# Altium PCB Cabinet_Device.PcbDoc (part 4 of 6) (continued)
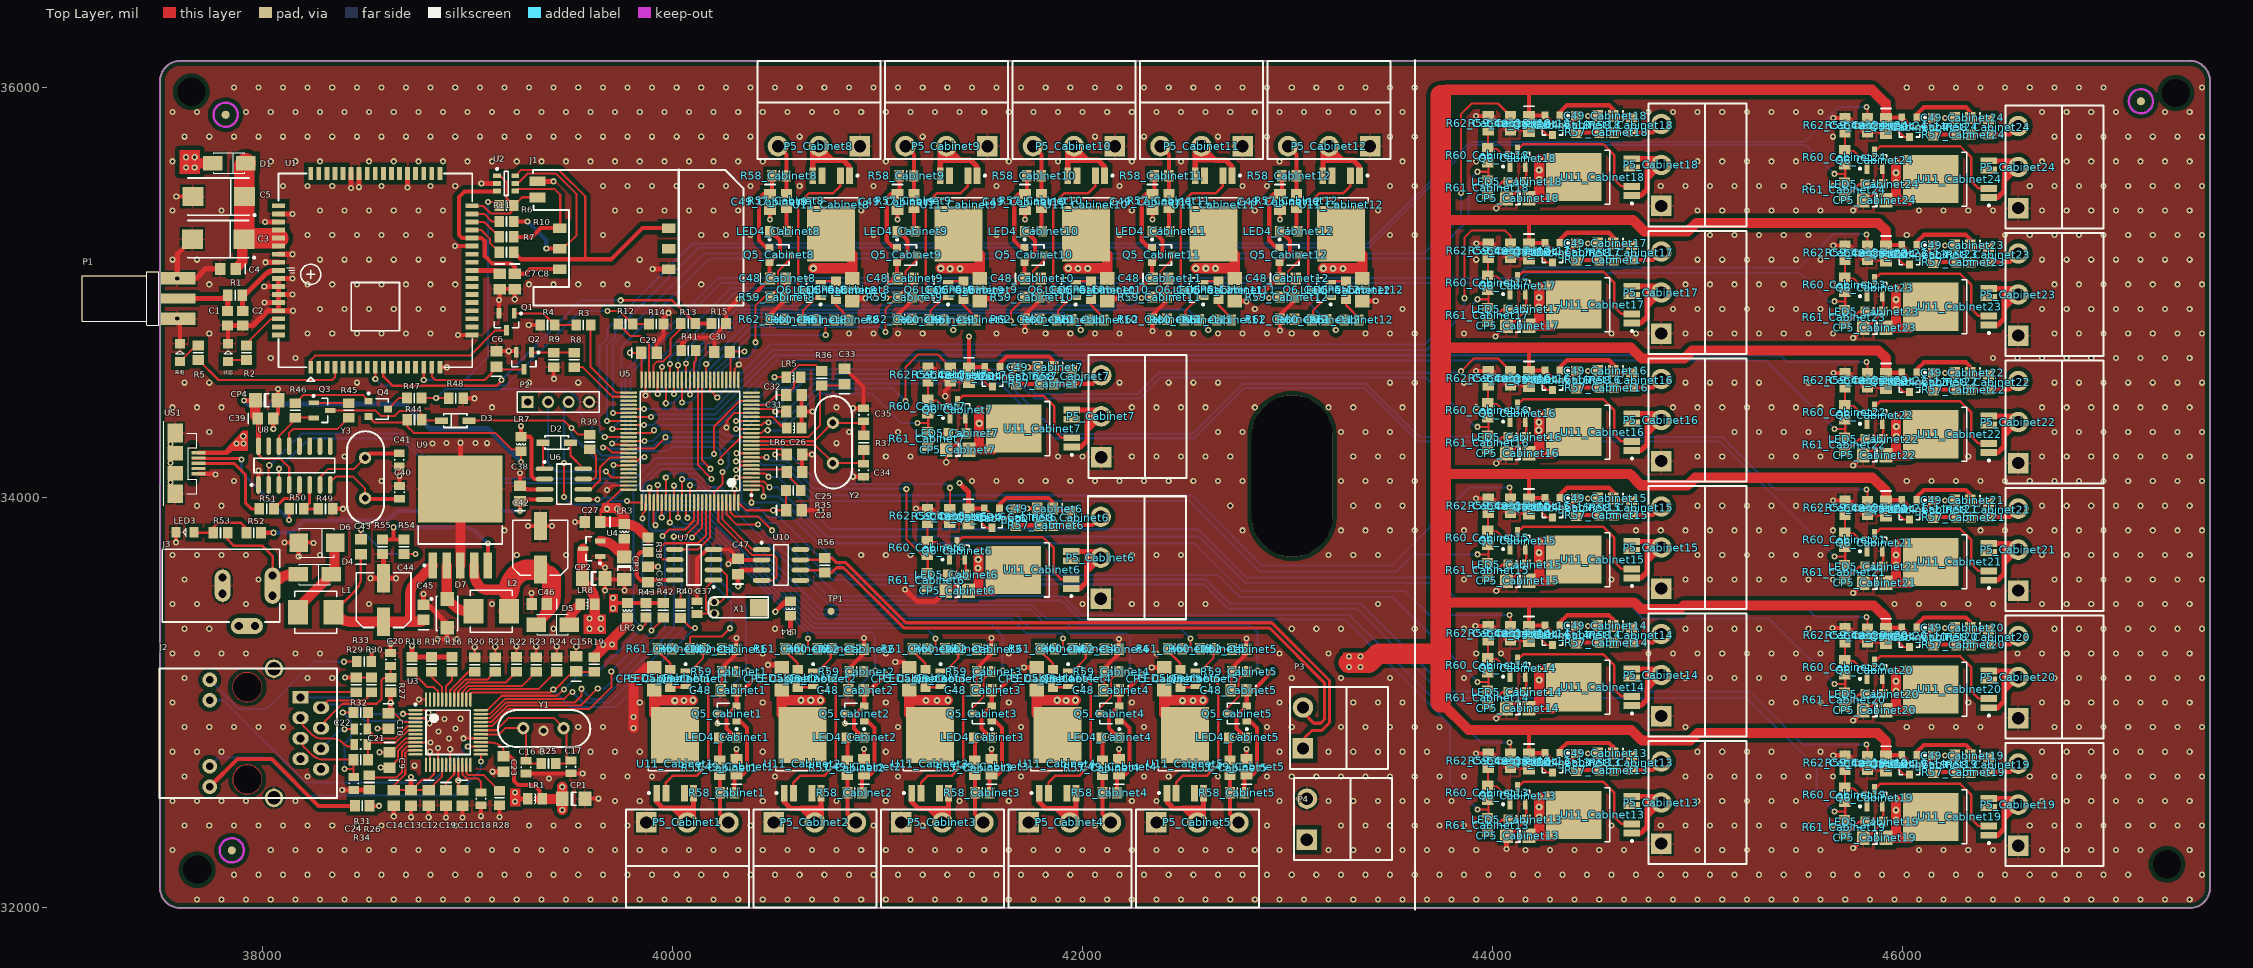
[diagram p0: Top Layer view]
## Nets (pads, with @x,y where several pads share a name; then routed paths per layer and width w, separated by ;. In a path a pad name is that pad's centre, name@x,y a point inside that pad or via, vN(x,y) a via of type N, cw(c..) or ccw(c..) an arc to the next point about the centre after c; other vN are vias at no path point) (continued)
  Top Layer w20: P5_Cabinet10.3@41758,35714 41798.87,35673.13 R58_Cabinet10.2@41798.87,35569 41799.43,35568.43 R57_Cabinet10.1@41799.43,35482.43
NetP5_Cabinet11_2: P5_Cabinet11.2 U11_Cabinet11.1 U11_Cabinet11.5 | length 417.7
  Top Layer w12: P5_Cabinet11.2@42537,35715 P5_Cabinet11.2@42549.67,35702.33 ; 42707,35636 42716.87,35636 42729.2,35623.67 42729.2,35613.8
  Top Layer w25: U11_Cabinet11.5@42549.67,35570.46 42549.67,35683.67 P5_Cabinet11.2@42580,35714 42649,35645 42698,35645 42707,35636 42729.2,35613.8 U11_Cabinet11.1@42729.2,35598
NetP5_Cabinet11_3: P5_Cabinet11.3 R57_Cabinet11.1 R58_Cabinet11.2 | length 248.7
  Top Layer w20: P5_Cabinet11.3@42380,35714 42420.87,35673.13 R58_Cabinet11.2@42420.87,35569 42421.43,35568.43 R57_Cabinet11.1@42421.43,35482.43
NetP5_Cabinet12_2: P5_Cabinet12.2 U11_Cabinet12.1 U11_Cabinet12.5 | length 417.7
  Top Layer w12: P5_Cabinet12.2@43159,35715 P5_Cabinet12.2@43171.67,35702.33 ; 43329,35636 43338.87,35636 43351.2,35623.67 43351.2,35613.8
  Top Layer w25: U11_Cabinet12.5@43171.67,35570.46 43171.67,35683.67 P5_Cabinet12.2@43202,35714 43271,35645 43320,35645 43329,35636 43351.2,35613.8 U11_Cabinet12.1@43351.2,35598
NetP5_Cabinet12_3: P5_Cabinet12.3 R57_Cabinet12.1 R58_Cabinet12.2 | length 248.7
  Top Layer w20: P5_Cabinet12.3@43002,35714 43042.87,35673.13 R58_Cabinet12.2@43042.87,35569 43043.43,35568.43 R57_Cabinet12.1@43043.43,35482.43
NetP5_Cabinet13_2: P5_Cabinet13.2 U11_Cabinet13.1 U11_Cabinet13.5 | length 417.7
  Top Layer w12: 44722.8,32362.8 44732.67,32362.8 44745,32375.13 44745,32385 ; P5_Cabinet13.2@44811.33,32542.33 P5_Cabinet13.2@44824,32555
  Top Layer w25: U11_Cabinet13.5@44679.46,32542.33 44792.67,32542.33 P5_Cabinet13.2@44823,32512 44754,32443 44754,32394 44745,32385 44722.8,32362.8 U11_Cabinet13.1@44707,32362.8
NetP5_Cabinet13_3: P5_Cabinet13.3 R57_Cabinet13.1 R58_Cabinet13.2 | length 248.7
  Top Layer w20: R57_Cabinet13.1@44591.43,32670.57 44677.43,32670.57 R58_Cabinet13.2@44678,32671.13 44782.13,32671.13 P5_Cabinet13.3@44823,32712
NetP5_Cabinet14_2: P5_Cabinet14.2 U11_Cabinet14.1 U11_Cabinet14.5 | length 417.7
  Top Layer w12: 44722.8,32984.8 44732.67,32984.8 44745,32997.13 44745,33007 ; P5_Cabinet14.2@44811.33,33164.33 P5_Cabinet14.2@44824,33177
  Top Layer w25: U11_Cabinet14.5@44679.46,33164.33 44792.67,33164.33 P5_Cabinet14.2@44823,33134 44754,33065 44754,33016 44745,33007 44722.8,32984.8 U11_Cabinet14.1@44707,32984.8
NetP5_Cabinet14_3: P5_Cabinet14.3 R57_Cabinet14.1 R58_Cabinet14.2 | length 248.7
  Top Layer w20: R57_Cabinet14.1@44591.43,33292.57 44677.43,33292.57 R58_Cabinet14.2@44678,33293.13 44782.13,33293.13 P5_Cabinet14.3@44823,33334
NetP5_Cabinet15_2: P5_Cabinet15.2 U11_Cabinet15.1 U11_Cabinet15.5 | length 417.7
  Top Layer w12: 44722.8,33606.8 44732.67,33606.8 44745,33619.13 44745,33629 ; P5_Cabinet15.2@44811.33,33786.33 P5_Cabinet15.2@44824,33799
  Top Layer w25: U11_Cabinet15.5@44679.46,33786.33 44792.67,33786.33 P5_Cabinet15.2@44823,33756 44754,33687 44754,33638 44745,33629 44722.8,33606.8 U11_Cabinet15.1@44707,33606.8
NetP5_Cabinet15_3: P5_Cabinet15.3 R57_Cabinet15.1 R58_Cabinet15.2 | length 248.7
  Top Layer w20: R57_Cabinet15.1@44591.43,33914.57 44677.43,33914.57 R58_Cabinet15.2@44678,33915.13 44782.13,33915.13 P5_Cabinet15.3@44823,33956
NetP5_Cabinet16_2: P5_Cabinet16.2 U11_Cabinet16.1 U11_Cabinet16.5 | length 417.7
  Top Layer w12: 44722.8,34228.8 44732.67,34228.8 44745,34241.13 44745,34251 ; P5_Cabinet16.2@44811.33,34408.33 P5_Cabinet16.2@44824,34421
  Top Layer w25: U11_Cabinet16.5@44679.46,34408.33 44792.67,34408.33 P5_Cabinet16.2@44823,34378 44754,34309 44754,34260 44745,34251 44722.8,34228.8 U11_Cabinet16.1@44707,34228.8
NetP5_Cabinet16_3: P5_Cabinet16.3 R57_Cabinet16.1 R58_Cabinet16.2 | length 248.7
  Top Layer w20: R57_Cabinet16.1@44591.43,34536.57 44677.43,34536.57 R58_Cabinet16.2@44678,34537.13 44782.13,34537.13 P5_Cabinet16.3@44823,34578
NetP5_Cabinet17_2: P5_Cabinet17.2 U11_Cabinet17.1 U11_Cabinet17.5 | length 417.7
  Top Layer w12: 44722.8,34850.8 44732.67,34850.8 44745,34863.13 44745,34873 ; P5_Cabinet17.2@44811.33,35030.33 P5_Cabinet17.2@44824,35043
  Top Layer w25: U11_Cabinet17.5@44679.46,35030.33 44792.67,35030.33 P5_Cabinet17.2@44823,35000 44754,34931 44754,34882 44745,34873 44722.8,34850.8 U11_Cabinet17.1@44707,34850.8
NetP5_Cabinet17_3: P5_Cabinet17.3 R57_Cabinet17.1 R58_Cabinet17.2 | length 248.7
  Top Layer w20: R57_Cabinet17.1@44591.43,35158.57 44677.43,35158.57 R58_Cabinet17.2@44678,35159.13 44782.13,35159.13 P5_Cabinet17.3@44823,35200
NetP5_Cabinet18_2: P5_Cabinet18.2 U11_Cabinet18.1 U11_Cabinet18.5 | length 417.7
  Top Layer w12: 44722.8,35472.8 44732.67,35472.8 44745,35485.13 44745,35495 ; P5_Cabinet18.2@44811.33,35652.33 P5_Cabinet18.2@44824,35665
  Top Layer w25: U11_Cabinet18.5@44679.46,35652.33 44792.67,35652.33 P5_Cabinet18.2@44823,35622 44754,35553 44754,35504 44745,35495 44722.8,35472.8 U11_Cabinet18.1@44707,35472.8
NetP5_Cabinet18_3: P5_Cabinet18.3 R57_Cabinet18.1 R58_Cabinet18.2 | length 248.7
  Top Layer w20: R57_Cabinet18.1@44591.43,35780.57 44677.43,35780.57 R58_Cabinet18.2@44678,35781.13 44782.13,35781.13 P5_Cabinet18.3@44823,35822
NetP5_Cabinet19_2: P5_Cabinet19.2 U11_Cabinet19.1 U11_Cabinet19.5 | length 417.7
  Top Layer w12: 46463.8,32352.8 46473.67,32352.8 46486,32365.13 46486,32375 ; P5_Cabinet19.2@46552.33,32532.33 P5_Cabinet19.2@46565,32545
  Top Layer w25: U11_Cabinet19.5@46420.46,32532.33 46533.67,32532.33 P5_Cabinet19.2@46564,32502 46495,32433 46495,32384 46486,32375 46463.8,32352.8 U11_Cabinet19.1@46448,32352.8
NetP5_Cabinet19_3: P5_Cabinet19.3 R57_Cabinet19.1 R58_Cabinet19.2 | length 248.7
  Top Layer w20: R57_Cabinet19.1@46332.43,32660.57 46418.43,32660.57 R58_Cabinet19.2@46419,32661.13 46523.13,32661.13 P5_Cabinet19.3@46564,32702
NetP5_Cabinet20_2: P5_Cabinet20.2 U11_Cabinet20.1 U11_Cabinet20.5 | length 417.7
  Top Layer w12: 46463.8,32974.8 46473.67,32974.8 46486,32987.13 46486,32997 ; P5_Cabinet20.2@46552.33,33154.33 P5_Cabinet20.2@46565,33167
  Top Layer w25: U11_Cabinet20.5@46420.46,33154.33 46533.67,33154.33 P5_Cabinet20.2@46564,33124 46495,33055 46495,33006 46486,32997 46463.8,32974.8 U11_Cabinet20.1@46448,32974.8
NetP5_Cabinet20_3: P5_Cabinet20.3 R57_Cabinet20.1 R58_Cabinet20.2 | length 248.7
  Top Layer w20: R57_Cabinet20.1@46332.43,33282.57 46418.43,33282.57 R58_Cabinet20.2@46419,33283.13 46523.13,33283.13 P5_Cabinet20.3@46564,33324
NetP5_Cabinet21_2: P5_Cabinet21.2 U11_Cabinet21.1 U11_Cabinet21.5 | length 417.7
  Top Layer w12: 46463.8,33596.8 46473.67,33596.8 46486,33609.13 46486,33619 ; P5_Cabinet21.2@46552.33,33776.33 P5_Cabinet21.2@46565,33789
  Top Layer w25: U11_Cabinet21.5@46420.46,33776.33 46533.67,33776.33 P5_Cabinet21.2@46564,33746 46495,33677 46495,33628 46486,33619 46463.8,33596.8 U11_Cabinet21.1@46448,33596.8
NetP5_Cabinet21_3: P5_Cabinet21.3 R57_Cabinet21.1 R58_Cabinet21.2 | length 248.7
  Top Layer w20: R57_Cabinet21.1@46332.43,33904.57 46418.43,33904.57 R58_Cabinet21.2@46419,33905.13 46523.13,33905.13 P5_Cabinet21.3@46564,33946
NetP5_Cabinet22_2: P5_Cabinet22.2 U11_Cabinet22.1 U11_Cabinet22.5 | length 417.7
  Top Layer w12: 46463.8,34218.8 46473.67,34218.8 46486,34231.13 46486,34241 ; P5_Cabinet22.2@46552.33,34398.33 P5_Cabinet22.2@46565,34411
  Top Layer w25: U11_Cabinet22.5@46420.46,34398.33 46533.67,34398.33 P5_Cabinet22.2@46564,34368 46495,34299 46495,34250 46486,34241 46463.8,34218.8 U11_Cabinet22.1@46448,34218.8
NetP5_Cabinet22_3: P5_Cabinet22.3 R57_Cabinet22.1 R58_Cabinet22.2 | length 248.7
  Top Layer w20: R57_Cabinet22.1@46332.43,34526.57 46418.43,34526.57 R58_Cabinet22.2@46419,34527.13 46523.13,34527.13 P5_Cabinet22.3@46564,34568
NetP5_Cabinet23_2: P5_Cabinet23.2 U11_Cabinet23.1 U11_Cabinet23.5 | length 417.7
  Top Layer w12: 46463.8,34840.8 46473.67,34840.8 46486,34853.13 46486,34863 ; P5_Cabinet23.2@46552.33,35020.33 P5_Cabinet23.2@46565,35033
  Top Layer w25: U11_Cabinet23.5@46420.46,35020.33 46533.67,35020.33 P5_Cabinet23.2@46564,34990 46495,34921 46495,34872 46486,34863 46463.8,34840.8 U11_Cabinet23.1@46448,34840.8
NetP5_Cabinet23_3: P5_Cabinet23.3 R57_Cabinet23.1 R58_Cabinet23.2 | length 248.7
  Top Layer w20: R57_Cabinet23.1@46332.43,35148.57 46418.43,35148.57 R58_Cabinet23.2@46419,35149.13 46523.13,35149.13 P5_Cabinet23.3@46564,35190
NetP5_Cabinet24_2: P5_Cabinet24.2 U11_Cabinet24.1 U11_Cabinet24.5 | length 417.7
  Top Layer w12: 46463.8,35462.8 46473.67,35462.8 46486,35475.13 46486,35485 ; P5_Cabinet24.2@46552.33,35642.33 P5_Cabinet24.2@46565,35655
  Top Layer w25: U11_Cabinet24.5@46420.46,35642.33 46533.67,35642.33 P5_Cabinet24.2@46564,35612 46495,35543 46495,35494 46486,35485 46463.8,35462.8 U11_Cabinet24.1@46448,35462.8
NetP5_Cabinet24_3: P5_Cabinet24.3 R57_Cabinet24.1 R58_Cabinet24.2 | length 248.7
  Top Layer w20: R57_Cabinet24.1@46332.43,35770.57 46418.43,35770.57 R58_Cabinet24.2@46419,35771.13 46523.13,35771.13 P5_Cabinet24.3@46564,35812
NetQ1_1: Q1.1 R3.1 R4.1 | length 325.5
  Top Layer w10: Q1.1@39227.4,34897.68 39369.09,34897.68 R4.1@39425.43,34841.34 R3.1@39529.57,34841.34
NetQ1_3: Q1.3 U1.1 | length 1049.6
  Top Layer w10: U1.1@38235.04,34635.47 38235.04,34670.04 38257,34692 39012,34692 39135,34815 Q1.3@39190,34815
NetQ2_1: Q2.1 R8.1 R9.1 | length 208
  Top Layer w10: Q2.1@39312.4,34707.68 39519.09,34707.68 R8.1@39520,34706.77
NetQ3_1: Q3.1 R45.2 | length 172.2
  Top Layer w10: Q3.1@38248.66,34462.4 38250.63,34460.43 R45.2@38420,34460.43
NetQ4_1: Q4.1 R46.2 | length 384.7
  Top Layer w10: R46.2@38160,34460.43 38198.57,34499 38491.16,34499 Q4.1@38517.76,34472.4
NetQ4_3: Q4.3 R47.2 | length 114.3
  Top Layer w10: Q4.3@38612.24,34432 38665.24,34485 R47.2@38704.57,34485
NetQ6_Cabinet1_1: Q6_Cabinet1.1 R60_Cabinet1.1 R62_Cabinet1.2 | length 245.9
  Top Layer w10: Q6_Cabinet1.1@40063.79,33153.4 40086.4,33153.4 40149.43,33216.43 40149.43,33259 40150.43,33260 R62_Cabinet1.2@40240.57,33260
NetQ6_Cabinet1_3: Q6_Cabinet1.3 U11_Cabinet1.2 | length 722.1
  Top Layer w12: U11_Cabinet1.2@39967.69,32558.54 39967.69,32609.55 40002.13,32644 40119.13,32644 40173.13,32698 40173.13,33089.34 Q6_Cabinet1.3@40146.47,33116
NetQ6_Cabinet2_1: Q6_Cabinet2.1 R60_Cabinet2.1 R62_Cabinet2.2 | length 245.9
  Top Layer w10: Q6_Cabinet2.1@40685.79,33153.4 40708.4,33153.4 40771.43,33216.43 40771.43,33259 40772.43,33260 R62_Cabinet2.2@40862.57,33260
NetQ6_Cabinet2_3: Q6_Cabinet2.3 U11_Cabinet2.2 | length 722.1
  Top Layer w12: U11_Cabinet2.2@40589.69,32558.54 40589.69,32609.55 40624.13,32644 40741.13,32644 40795.13,32698 40795.13,33089.34 Q6_Cabinet2.3@40768.47,33116
NetQ6_Cabinet3_1: Q6_Cabinet3.1 R60_Cabinet3.1 R62_Cabinet3.2 | length 245.9
  Top Layer w10: Q6_Cabinet3.1@41307.79,33153.4 41330.4,33153.4 41393.43,33216.43 41393.43,33259 41394.43,33260 R62_Cabinet3.2@41484.57,33260
NetQ6_Cabinet3_3: Q6_Cabinet3.3 U11_Cabinet3.2 | length 722.1
  Top Layer w12: U11_Cabinet3.2@41211.69,32558.54 41211.69,32609.55 41246.13,32644 41363.13,32644 41417.13,32698 41417.13,33089.34 Q6_Cabinet3.3@41390.47,33116
NetQ6_Cabinet4_1: Q6_Cabinet4.1 R60_Cabinet4.1 R62_Cabinet4.2 | length 245.9
  Top Layer w10: Q6_Cabinet4.1@41929.79,33153.4 41952.4,33153.4 42015.43,33216.43 42015.43,33259 42016.43,33260 R62_Cabinet4.2@42106.57,33260
NetQ6_Cabinet4_3: Q6_Cabinet4.3 U11_Cabinet4.2 | length 722.1
  Top Layer w12: U11_Cabinet4.2@41833.69,32558.54 41833.69,32609.55 41868.13,32644 41985.13,32644 42039.13,32698 42039.13,33089.34 Q6_Cabinet4.3@42012.47,33116
NetQ6_Cabinet5_1: Q6_Cabinet5.1 R60_Cabinet5.1 R62_Cabinet5.2 | length 245.9
  Top Layer w10: Q6_Cabinet5.1@42551.79,33153.4 42574.4,33153.4 42637.43,33216.43 42637.43,33259 42638.43,33260 R62_Cabinet5.2@42728.57,33260
NetQ6_Cabinet5_3: Q6_Cabinet5.3 U11_Cabinet5.2 | length 722.1
  Top Layer w12: U11_Cabinet5.2@42455.69,32558.54 42455.69,32609.55 42490.13,32644 42607.13,32644 42661.13,32698 42661.13,33089.34 Q6_Cabinet5.3@42634.47,33116
NetQ6_Cabinet6_1: Q6_Cabinet6.1 R60_Cabinet6.1 R62_Cabinet6.2 | length 245.9
  Top Layer w10: R62_Cabinet6.2@41243.54,33874.76 41243.54,33784.63 41244.54,33783.63 41287.1,33783.63 41350.14,33720.6 Q6_Cabinet6.1@41350.14,33697.99
NetQ6_Cabinet6_3: Q6_Cabinet6.3 U11_Cabinet6.2 | length 722.1
  Top Layer w12: Q6_Cabinet6.3@41387.54,33780.67 41414.2,33807.33 41805.54,33807.33 41859.54,33753.33 41859.54,33636.33 41893.98,33601.88 U11_Cabinet6.2@41945,33601.88
NetQ6_Cabinet7_1: Q6_Cabinet7.1 R60_Cabinet7.1 R62_Cabinet7.2 | length 245.9
  Top Layer w10: R62_Cabinet7.2@41246,34564.57 41246,34474.43 41247,34473.43 41289.57,34473.43 41352.6,34410.4 Q6_Cabinet7.1@41352.6,34387.79
NetQ6_Cabinet7_3: Q6_Cabinet7.3 U11_Cabinet7.2 | length 722.1
  Top Layer w12: Q6_Cabinet7.3@41390,34470.47 41416.66,34497.13 41808,34497.13 41862,34443.13 41862,34326.13 41896.45,34291.69 U11_Cabinet7.2@41947.46,34291.69
NetQ6_Cabinet8_1: Q6_Cabinet8.1 R60_Cabinet8.1 R62_Cabinet8.2 | length 245.9
  Top Layer w10: R62_Cabinet8.2@40545.43,34869 40635.57,34869 40636.57,34870 40636.57,34912.57 40699.6,34975.6 Q6_Cabinet8.1@40722.21,34975.6
NetQ6_Cabinet8_3: Q6_Cabinet8.3 U11_Cabinet8.2 | length 722.1
  Top Layer w12: Q6_Cabinet8.3@40639.53,35013 40612.87,35039.66 40612.87,35431 40666.87,35485 40783.87,35485 40818.31,35519.45 U11_Cabinet8.2@40818.31,35570.46
NetQ6_Cabinet9_1: Q6_Cabinet9.1 R60_Cabinet9.1 R62_Cabinet9.2 | length 245.9
  Top Layer w10: R62_Cabinet9.2@41167.43,34869 41257.57,34869 41258.57,34870 41258.57,34912.57 41321.6,34975.6 Q6_Cabinet9.1@41344.21,34975.6
NetQ6_Cabinet9_3: Q6_Cabinet9.3 U11_Cabinet9.2 | length 722.1
  Top Layer w12: Q6_Cabinet9.3@41261.53,35013 41234.87,35039.66 41234.87,35431 41288.87,35485 41405.87,35485 41440.31,35519.45 U11_Cabinet9.2@41440.31,35570.46
NetQ6_Cabinet10_1: Q6_Cabinet10.1 R60_Cabinet10.1 R62_Cabinet10.2 | length 245.9
  Top Layer w10: R62_Cabinet10.2@41789.43,34869 41879.57,34869 41880.57,34870 41880.57,34912.57 41943.6,34975.6 Q6_Cabinet10.1@41966.21,34975.6
NetQ6_Cabinet10_3: Q6_Cabinet10.3 U11_Cabinet10.2 | length 722.1
  Top Layer w12: Q6_Cabinet10.3@41883.53,35013 41856.87,35039.66 41856.87,35431 41910.87,35485 42027.87,35485 42062.31,35519.45 U11_Cabinet10.2@42062.31,35570.46
NetQ6_Cabinet11_1: Q6_Cabinet11.1 R60_Cabinet11.1 R62_Cabinet11.2 | length 245.9
  Top Layer w10: R62_Cabinet11.2@42411.43,34869 42501.57,34869 42502.57,34870 42502.57,34912.57 42565.6,34975.6 Q6_Cabinet11.1@42588.21,34975.6
NetQ6_Cabinet11_3: Q6_Cabinet11.3 U11_Cabinet11.2 | length 722.1
  Top Layer w12: Q6_Cabinet11.3@42505.53,35013 42478.87,35039.66 42478.87,35431 42532.87,35485 42649.87,35485 42684.31,35519.45 U11_Cabinet11.2@42684.31,35570.46
NetQ6_Cabinet12_1: Q6_Cabinet12.1 R60_Cabinet12.1 R62_Cabinet12.2 | length 245.9
  Top Layer w10: R62_Cabinet12.2@43033.43,34869 43123.57,34869 43124.57,34870 43124.57,34912.57 43187.6,34975.6 Q6_Cabinet12.1@43210.21,34975.6
NetQ6_Cabinet12_3: Q6_Cabinet12.3 U11_Cabinet12.2 | length 722.1
  Top Layer w12: Q6_Cabinet12.3@43127.53,35013 43100.87,35039.66 43100.87,35431 43154.87,35485 43271.87,35485 43306.31,35519.45 U11_Cabinet12.2@43306.31,35570.46
NetQ6_Cabinet13_1: Q6_Cabinet13.1 R60_Cabinet13.1 R62_Cabinet13.2 | length 245.9
  Top Layer w10: R62_Cabinet13.2@43978,32680.57 43978,32590.43 43979,32589.43 44021.57,32589.43 44084.6,32526.4 Q6_Cabinet13.1@44084.6,32503.79
NetQ6_Cabinet13_3: Q6_Cabinet13.3 U11_Cabinet13.2 | length 722.1
  Top Layer w12: Q6_Cabinet13.3@44122,32586.47 44148.66,32613.13 44540,32613.13 44594,32559.13 44594,32442.13 44628.45,32407.69 U11_Cabinet13.2@44679.46,32407.69
NetQ6_Cabinet14_1: Q6_Cabinet14.1 R60_Cabinet14.1 R62_Cabinet14.2 | length 245.9
  Top Layer w10: R62_Cabinet14.2@43978,33302.57 43978,33212.43 43979,33211.43 44021.57,33211.43 44084.6,33148.4 Q6_Cabinet14.1@44084.6,33125.79
NetQ6_Cabinet14_3: Q6_Cabinet14.3 U11_Cabinet14.2 | length 722.1
  Top Layer w12: Q6_Cabinet14.3@44122,33208.47 44148.66,33235.13 44540,33235.13 44594,33181.13 44594,33064.13 44628.45,33029.69 U11_Cabinet14.2@44679.46,33029.69
NetQ6_Cabinet15_1: Q6_Cabinet15.1 R60_Cabinet15.1 R62_Cabinet15.2 | length 245.9
  Top Layer w10: R62_Cabinet15.2@43978,33924.57 43978,33834.43 43979,33833.43 44021.57,33833.43 44084.6,33770.4 Q6_Cabinet15.1@44084.6,33747.79
NetQ6_Cabinet15_3: Q6_Cabinet15.3 U11_Cabinet15.2 | length 722.1
  Top Layer w12: Q6_Cabinet15.3@44122,33830.47 44148.66,33857.13 44540,33857.13 44594,33803.13 44594,33686.13 44628.45,33651.69 U11_Cabinet15.2@44679.46,33651.69
NetQ6_Cabinet16_1: Q6_Cabinet16.1 R60_Cabinet16.1 R62_Cabinet16.2 | length 245.9
  Top Layer w10: R62_Cabinet16.2@43978,34546.57 43978,34456.43 43979,34455.43 44021.57,34455.43 44084.6,34392.4 Q6_Cabinet16.1@44084.6,34369.79
NetQ6_Cabinet16_3: Q6_Cabinet16.3 U11_Cabinet16.2 | length 722.1
  Top Layer w12: Q6_Cabinet16.3@44122,34452.47 44148.66,34479.13 44540,34479.13 44594,34425.13 44594,34308.13 44628.45,34273.69 U11_Cabinet16.2@44679.46,34273.69
NetQ6_Cabinet17_1: Q6_Cabinet17.1 R60_Cabinet17.1 R62_Cabinet17.2 | length 245.9
  Top Layer w10: R62_Cabinet17.2@43978,35168.57 43978,35078.43 43979,35077.43 44021.57,35077.43 44084.6,35014.4 Q6_Cabinet17.1@44084.6,34991.79
NetQ6_Cabinet17_3: Q6_Cabinet17.3 U11_Cabinet17.2 | length 722.1
  Top Layer w12: Q6_Cabinet17.3@44122,35074.47 44148.66,35101.13 44540,35101.13 44594,35047.13 44594,34930.13 44628.45,34895.69 U11_Cabinet17.2@44679.46,34895.69
NetQ6_Cabinet18_1: Q6_Cabinet18.1 R60_Cabinet18.1 R62_Cabinet18.2 | length 245.9
  Top Layer w10: R62_Cabinet18.2@43978,35790.57 43978,35700.43 43979,35699.43 44021.57,35699.43 44084.6,35636.4 Q6_Cabinet18.1@44084.6,35613.79
NetQ6_Cabinet18_3: Q6_Cabinet18.3 U11_Cabinet18.2 | length 722.1
  Top Layer w12: Q6_Cabinet18.3@44122,35696.47 44148.66,35723.13 44540,35723.13 44594,35669.13 44594,35552.13 44628.45,35517.69 U11_Cabinet18.2@44679.46,35517.69
NetQ6_Cabinet19_1: Q6_Cabinet19.1 R60_Cabinet19.1 R62_Cabinet19.2 | length 245.9
  Top Layer w10: R62_Cabinet19.2@45719,32670.57 45719,32580.43 45720,32579.43 45762.57,32579.43 45825.6,32516.4 Q6_Cabinet19.1@45825.6,32493.79
NetQ6_Cabinet19_3: Q6_Cabinet19.3 U11_Cabinet19.2 | length 722.1
  Top Layer w12: Q6_Cabinet19.3@45863,32576.47 45889.66,32603.13 46281,32603.13 46335,32549.13 46335,32432.13 46369.45,32397.69 U11_Cabinet19.2@46420.46,32397.69
NetQ6_Cabinet20_1: Q6_Cabinet20.1 R60_Cabinet20.1 R62_Cabinet20.2 | length 245.9
  Top Layer w10: R62_Cabinet20.2@45719,33292.57 45719,33202.43 45720,33201.43 45762.57,33201.43 45825.6,33138.4 Q6_Cabinet20.1@45825.6,33115.79
NetQ6_Cabinet20_3: Q6_Cabinet20.3 U11_Cabinet20.2 | length 722.1
  Top Layer w12: Q6_Cabinet20.3@45863,33198.47 45889.66,33225.13 46281,33225.13 46335,33171.13 46335,33054.13 46369.45,33019.69 U11_Cabinet20.2@46420.46,33019.69
NetQ6_Cabinet21_1: Q6_Cabinet21.1 R60_Cabinet21.1 R62_Cabinet21.2 | length 245.9
  Top Layer w10: R62_Cabinet21.2@45719,33914.57 45719,33824.43 45720,33823.43 45762.57,33823.43 45825.6,33760.4 Q6_Cabinet21.1@45825.6,33737.79
NetQ6_Cabinet21_3: Q6_Cabinet21.3 U11_Cabinet21.2 | length 722.1
  Top Layer w12: Q6_Cabinet21.3@45863,33820.47 45889.66,33847.13 46281,33847.13 46335,33793.13 46335,33676.13 46369.45,33641.69 U11_Cabinet21.2@46420.46,33641.69
NetQ6_Cabinet22_1: Q6_Cabinet22.1 R60_Cabinet22.1 R62_Cabinet22.2 | length 245.9
  Top Layer w10: R62_Cabinet22.2@45719,34536.57 45719,34446.43 45720,34445.43 45762.57,34445.43 45825.6,34382.4 Q6_Cabinet22.1@45825.6,34359.79
NetQ6_Cabinet22_3: Q6_Cabinet22.3 U11_Cabinet22.2 | length 722.1
  Top Layer w12: Q6_Cabinet22.3@45863,34442.47 45889.66,34469.13 46281,34469.13 46335,34415.13 46335,34298.13 46369.45,34263.69 U11_Cabinet22.2@46420.46,34263.69
NetQ6_Cabinet23_1: Q6_Cabinet23.1 R60_Cabinet23.1 R62_Cabinet23.2 | length 245.9
  Top Layer w10: R62_Cabinet23.2@45719,35158.57 45719,35068.43 45720,35067.43 45762.57,35067.43 45825.6,35004.4 Q6_Cabinet23.1@45825.6,34981.79
NetQ6_Cabinet23_3: Q6_Cabinet23.3 U11_Cabinet23.2 | length 722.1
  Top Layer w12: Q6_Cabinet23.3@45863,35064.47 45889.66,35091.13 46281,35091.13 46335,35037.13 46335,34920.13 46369.45,34885.69 U11_Cabinet23.2@46420.46,34885.69
NetQ6_Cabinet24_1: Q6_Cabinet24.1 R60_Cabinet24.1 R62_Cabinet24.2 | length 245.9
  Top Layer w10: R62_Cabinet24.2@45719,35780.57 45719,35690.43 45720,35689.43 45762.57,35689.43 45825.6,35626.4 Q6_Cabinet24.1@45825.6,35603.79
NetQ6_Cabinet24_3: Q6_Cabinet24.3 U11_Cabinet24.2 | length 722.1
  Top Layer w12: Q6_Cabinet24.3@45863,35686.47 45889.66,35713.13 46281,35713.13 46335,35659.13 46335,35542.13 46369.45,35507.69 U11_Cabinet24.2@46420.46,35507.69
NetR2_1: R2.1 U1.66 | length 206.4
  Top Layer w10: R2.1@37922,34741.94 R2.1@37922,34750.59 ; R2.1@37927.5,34756.5 38042.69,34871.69 U1.66@38077.56,34871.69
NetR5_1: R5.1 U1.4 | length 761.5
  Top Layer w10: R5.1@37687,34671.07 37785.07,34573 38340,34573 38353.15,34586.15 U1.4@38353.15,34635.47
NetR20_2: R20.2 U3.42 | length 202.5
  Top Layer w10: U3.42@38915.28,33014.45 38915.28,33060.28 39004.57,33149.57 R20.2@39035,33149.57
NetR21_2: R21.2 U3.41 | length 280.9
  Top Layer w10: U3.41@38934.96,33014.45 38934.96,33057.03 38990.93,33113 39098.43,33113 R21.2@39135,33149.57
NetR22_2: R22.2 U3.40 | length 363.9
  Top Layer w10: U3.40@38954.65,33014.45 38954.65,33054.08 38997.56,33097 39185.07,33097 R22.2@39238.87,33150.8
NetR23_2: R23.2 U3.39 | length 438.1
  Top Layer w10: U3.39@38974.33,33014.45 38974.33,33051.14 39004.19,33081 39266.43,33081 R23.2@39335,33149.57
NetR24_2: R24.2 U3.38 | length 518.8
  Top Layer w10: U3.38@38994.02,33014.45 38994.02,33048.2 39010.82,33065 39345.43,33065 R24.2@39435,33154.57
NetR26_2: R26.2 U3.10 | length 348.6
  Top Layer w10: R26.2@38521.35,32641.67 38528.02,32635 38655,32635 38680,32660 38680,32760 38706.1,32786.1 U3.10@38745.98,32786.1
NetR28_1: R28.1 U3.23 | length 236.4
  Top Layer w10: U3.23@38994.02,32695.55 38994.02,32655.98 39004,32646 39079.87,32646 R28.1@39155.43,32570.43
NetR39_1: R39.1 U6.7 | length 212.7
  Top Layer w10: U6.7@39564.49,34090 39613,34090 39627,34104 39627,34204.57 R39.1@39596,34235.57
NetR54_2: R54.2 R55.1 U9.5 | length 758.8
  Top Layer w20: R55.1@38585,33795.43 38635,33795.43 ; v1(38639.14,33855) 38639.14,33805.43 cw(c38625,33805.43) 38635,33795.43 ; R54.2@38690,33795.43 38635,33795.43 ; U9.5@39098.86,33668.78 v1@39098.86,33772.25
  Bottom Layer w20: v1(38639.14,33855) 38978.58,33855 cw(c38978.58,33755) 39049.29,33825.71 v1(39100,33775)
NetU7_2: U7.2 X1.1 | length 250.2
  Top Layer w10: U7.2@40199.49,33647 40237,33647 40266,33618 40266,33523 40233,33490 X1.1@40203,33490
OSC_IN: C34.1 R37.1 U5.12 Y2.1 | length 642.8
  Top Layer w10: U5.12@40384.21,34255.32 40696.68,34255.32 Y2.1@40778.5,34173.5 ; Y2.1@40782,34167.5 C34.1@40929,34167.5 ; C34.1@40932,34164.5 R37.1@40932,34232.13
OSC_OUT: C35.1 R37.2 U5.13 Y2.2 | length 660.4
  Top Layer w10: U5.13@40384.21,34275 40384.21,34274.44 40690.44,34274.44 40777.25,34361.25 Y2.2@40785.25,34361.25 ; Y2.2@40782,34364.5 40924,34364.5 C35.1@40932,34372.5
  Top Layer w20: R37.2@40932,34303 C35.1@40932,34372.5
P\F\O\: U5.23 U6.5 | length 1097.2
  Top Layer w10: U6.5@39564.49,33990 39633,33990 v1(39634,33991) ; v1(40202,34213) 40202,34346 40327.85,34471.85 U5.23@40384.21,34471.85
  Bottom Layer w10: v1(39634,33991) 39655,33991 39663,33999 39722,33999 39915,34192 40181,34192 v1(40202,34213)
PMODE0: R18.2 U3.45 | length 206.9
  Top Layer w10: R18.2@38728.87,33150.8 38804.68,33075 38835,33075 38856.22,33053.78 U3.45@38856.22,33014.45
PMODE1: R17.2 U3.44 | length 157.9
  Top Layer w10: R17.2@38823.87,33150.8 38823.87,33126.13 38875.91,33074.09 U3.44@38875.91,33014.45
PMODE2: R16.2 U3.43 | length 148.1
  Top Layer w10: U3.43@38895.59,33014.45 38895.59,33080.59 38923.87,33108.87 R16.2@38923.87,33150.8
RST: Q3.2 R46.1 U8.14 | length 261.7
  Top Layer w10: U8.14@38080,34250.49 38080,34299 38160,34379 R46.1@38160,34389.57 38246.69,34389.57 Q3.2@38248.66,34387.6
RXN: C22.1 R32.2 U3.5 | length 361.2
  Top Layer w10: R32.2@38514.19,32951.24 38514.19,32875.17 C22.1@38510.25,32871.24 38556.49,32825 38647.37,32825 38706.9,32884.53 U3.5@38745.98,32884.53
RXP: C21.1 R31.2 U3.6 | length 340.2
  Top Layer w10: R31.2@38514.19,32721.24 38514.19,32786.73 ccw(c38500.75,32786.73) C21.1@38510.25,32796.24 38519.33,32805.32 38650.32,32805.32 38709.84,32864.84 U3.6@38745.98,32864.84
SIM900_RST: R8.2 U5.52 | length 325.6
  Top Layer w10: R8.2@39520,34635.91 39562.09,34635.91 39706.46,34491.54 U5.52@39785.79,34491.54
SIM900_RXD: R13.2 R15.1 U1.10 | length 1886.7
  Top Layer w12: U1.10@38589.37,34635.47 38589.37,34589.63 38633,34546 39143,34546 39165,34568 v1(39165,34573) ; v1(39747,34962) 39998,34962 R13.2@40111,34849
  Top Layer w20: R13.2@40111,34849 R15.1@40190.13,34849
  Bottom Layer w12: v1(39165,34573) 39554,34962 v1(39747,34962)
SIM900_TXD: R12.2 R14.1 U1.9 | length 1581.2
  Top Layer w10: v1(38550,34578) U1.9@38550,34635.47 ; v1(39682,34909) 39743.2,34909 R12.2@39805.87,34846.34 R14.1@39885,34846.34
  Bottom Layer w10: v1(38550,34578) 38581,34547 39188,34547 39550,34909 v1(39682,34909)
SIM_CLK: R10.1 U1.32 | length 162.3
  Top Layer w10: U1.32@39022.44,35344.13 39081.77,35344.13 R10.1@39154.57,35271.34
SIM_DATA: R7.1 U1.31 | length 189.4
  Top Layer w10: U1.31@39022.44,35304.76 39067.24,35304.76 39109,35263 39109,35241.91 R7.1@39154.57,35196.34
SIM_PRE: J1.4 R6.2 U1.34 U2.1 | length 547.1
  Top Layer w10: U1.34@39022.44,35422.87 39075.13,35422.87 39112.56,35385.44 39205.54,35385.44 39225.43,35405.33 R6.2@39225.43,35424 ; U2.1@39143.71,35569.4 39159.6,35569.4 39191,35538 39191,35458.43 R6.2@39225.43,35424 ; J1.4@39321.73,35464.61 39266.04,35464.61 R6.2@39225.43,35424
SIM_PWR: R3.2 U5.51 | length 442
  Top Layer w10: R3.2@39600.43,34841.34 39600.43,34636.57 39725.78,34511.22 U5.51@39785.79,34511.22
SIM_RST: R11.1 U1.33 | length 147.5
  Top Layer w10: U1.33@39022.44,35383.5 39080.5,35383.5 39117.66,35346.34 R11.1@39154.57,35346.34
SIM_VDD: C8.1 J1.1 U1.30 U2.3 | length 1005.3
  Top Layer w20: U2.3@39143.71,35494.6 39142.11,35493 38986,35493 38958,35465 38958,35280 38972.61,35265.39 U1.30@39022.44,35265.39 39068.61,35265.39 39084,35250 39084,35177 39119,35142 39213,35142 39230,35125 C8.1@39230,35091.4 39281.4,35091.4 39305,35115 J1.1@39430,35115
SPI1_MISO: U5.31
SPI1_MOSI: U5.32
SPI1_NSS: U5.29
SPI1_SCK: U5.30